# EAGLE board Mk4 Final a Panel score (EAGLE 9.0.1), part 1 of 24 (continued)
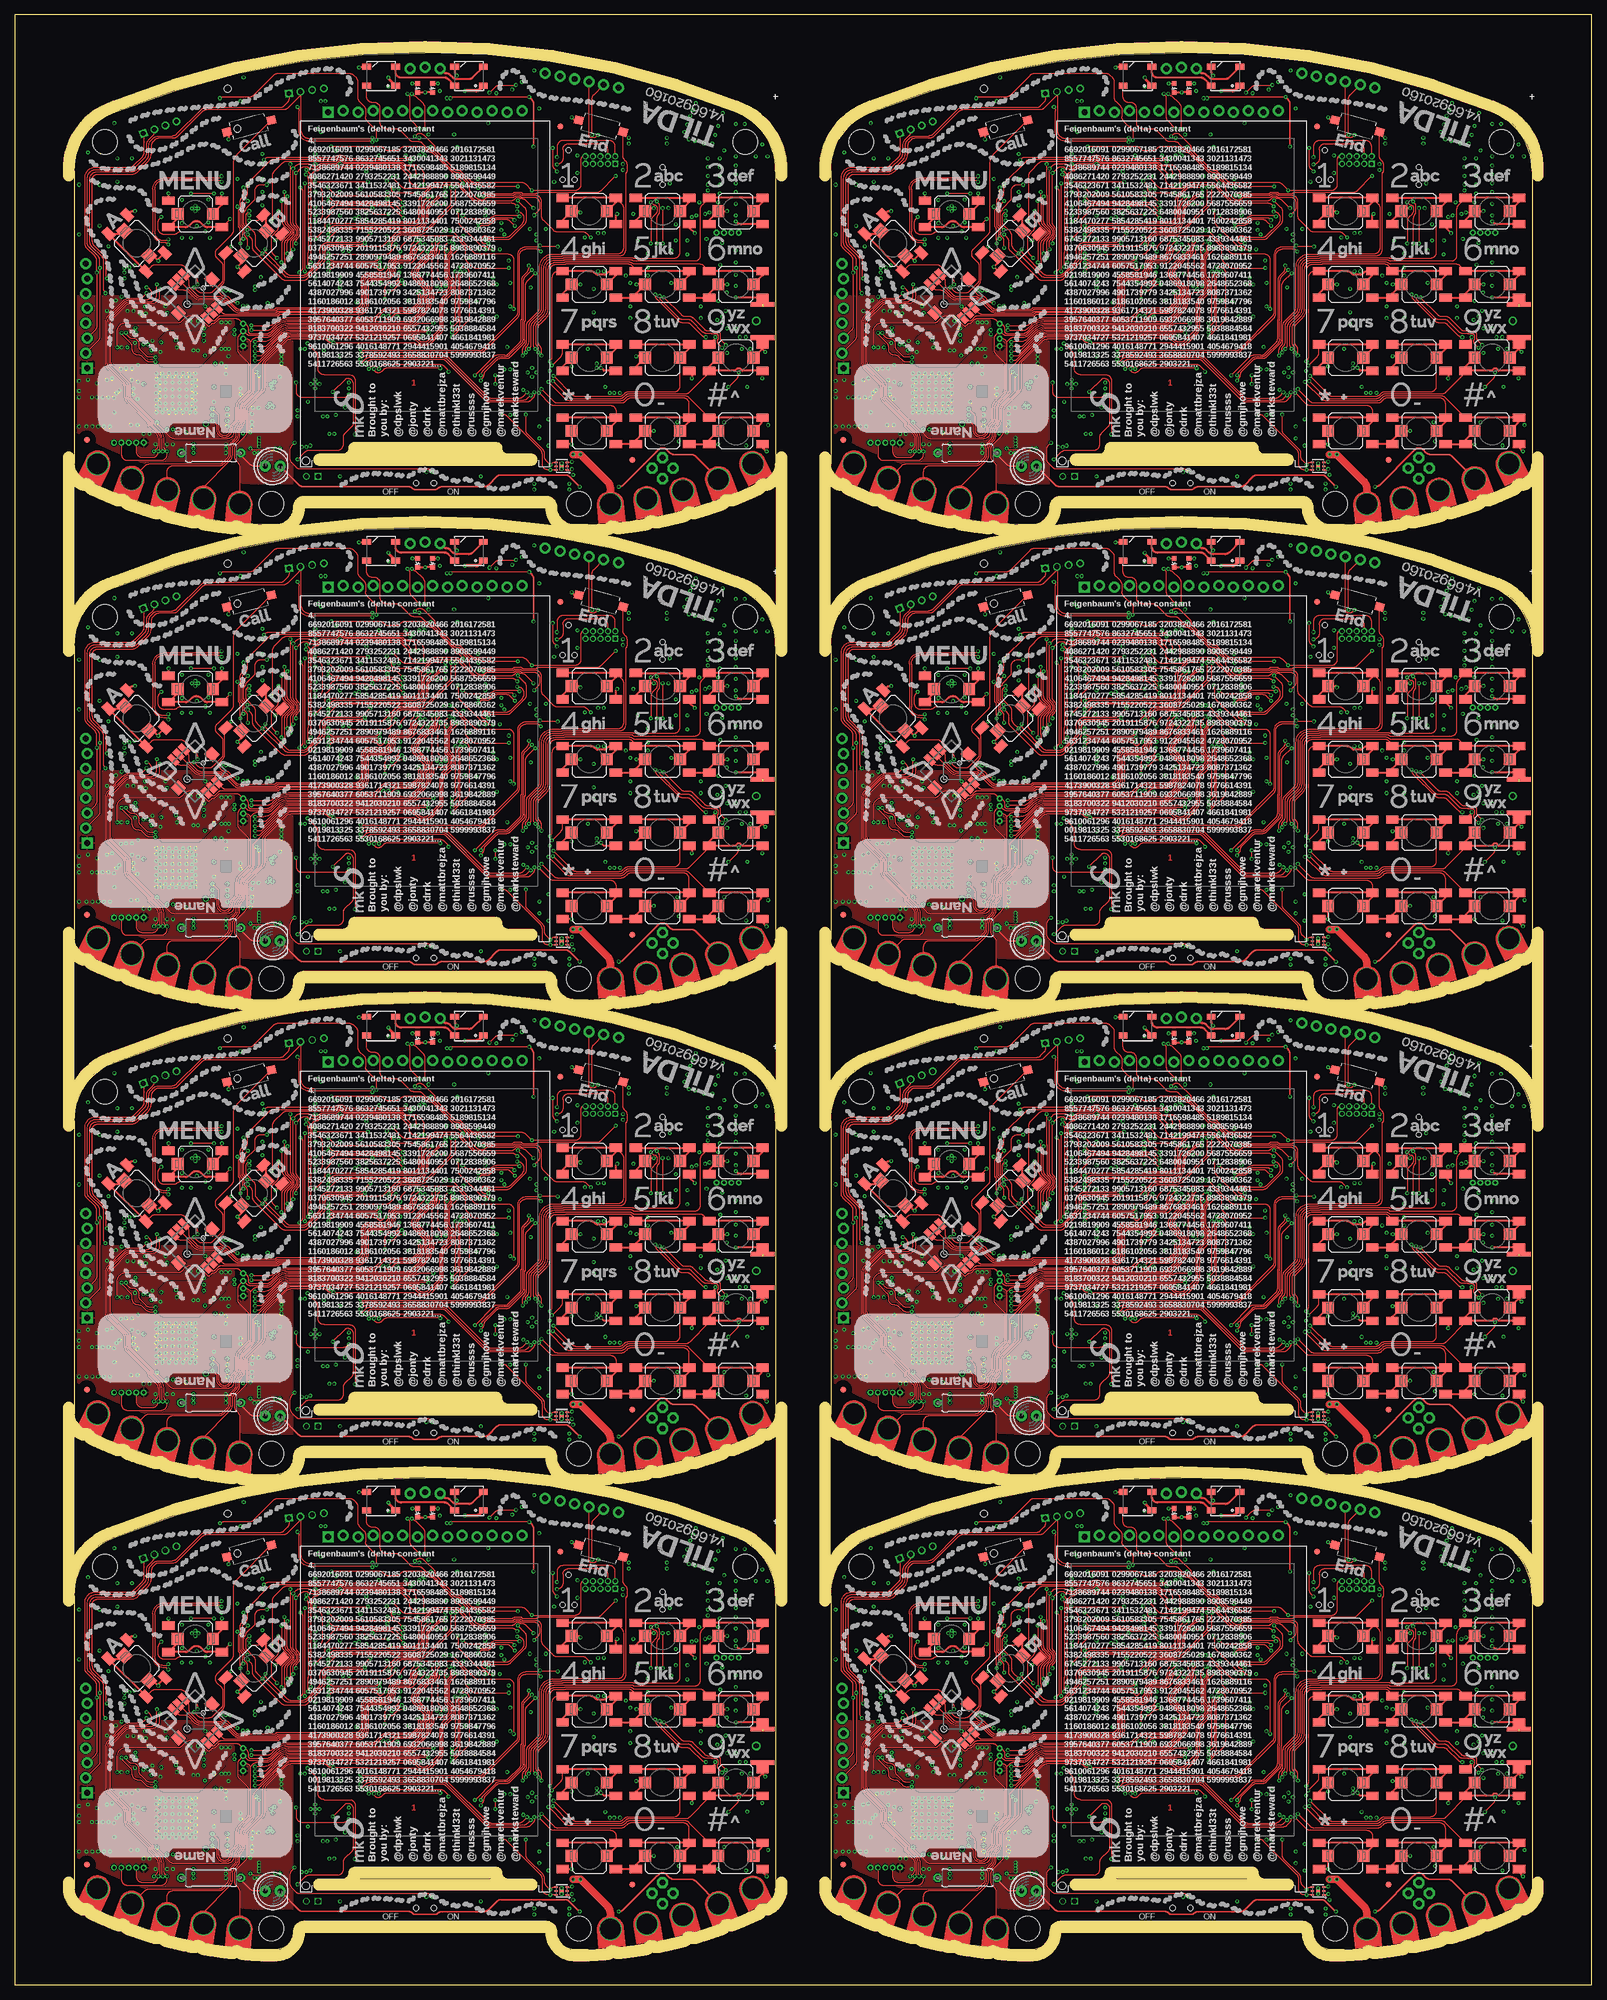
[diagram p0: board, top side]

Size 269 x 336 mm. Coordinates in mm from the lower left corner, seen from the top.
Outline: 0,0 269,0 269,336 0,336 0,0
Copper layers (1+2*15+16): Top 0.035mm / dielectric 0.22mm / 3V3@2 0.017mm / dielectric 1mm / GND@3 0.017mm / dielectric 0.22mm / Bottom 0.035mm
Design rules "little015mm  Round 4layer Newbury *": minimum track width 0.15mm, minimum drill 0.3mm, track to track 0.15mm, track to pad 0.15mm, pad to pad 0.15mm, via to via 0.15mm, smd to smd 0.15mm, copper to edge 0.4mm, drill to drill 0.3mm, minimum pad ring 0.15mm, minimum via ring 0.15mm, stop-mask expansion 0mil, vias tented up to drill 0.6mm, thermal gap 14mil
Net classes: 1 50R Single: width 0.4 mm, clearance 0.4 mm to class 0, clearance 0.4 mm; 2 90R Diff: width 0.25 mm, clearance 0.25 mm to class 0, clearance 0.4 mm to class 1, clearance 0.15 mm; 3 100R Diff: width 0.22 mm, clearance 0.25 mm to class 0, clearance 0.4 mm to class 1, clearance 0.25 mm to class 2, clearance 0.15 mm; 4 Audio: width 0.2 mm, clearance 0.25 mm to class 0, clearance 0.4 mm to class 1, clearance 0.25 mm to class 2, clearance 0.25 mm to class 3, clearance 0.15 mm
bRestrict: area 21.1,35.4 to 21.7,36.1; area 150.1,35.4 to 150.7,36.1; area 21.1,116.4 to 21.7,117.1; area 150.1,116.4 to 150.7,117.1; area 21.1,197.4 to 21.7,198.1; area 150.1,197.4 to 150.7,198.1; area 21.1,278.4 to 21.7,279.1; area 150.1,278.4 to 150.7,279.1
Milling: 12 lines

## Footprints (pad centres in the part's own frame; a part is rotated, then mirrored left to right if it is on the bottom)
2450AT18D0100 = smd 1 x 0.6: 1 -1.5,-0.65; 2 1.5,-0.65; 3 1.5,0.65; 4 -1.5,0.65
C0603K-SMALL = smd 0.889 x 0.889: 1 -0.875,0; 2 0.875,0
C0402-SMALLER = smd 0.6 x 0.6: 1 -0.5,0; 2 0.5,0
CT3528 = smd 2 x 2.2: + -1.5,0; - 1.5,0
C0805-N = smd 1.15 x 1.45: 1 -0.9,0; 2 0.9,0
C1210K = smd 1.5 x 2.9: 1 -1.5,0; 2 1.5,0
SOD123 = smd 1.4 x 1.4: A 1.9,0; C -1.9,0
R0402-SMALLER = smd 0.6 x 0.6: 1 -0.5,0; 2 0.5,0
FIDUCIAL-1X2.5-STOP = smd 1 x 1: 1 0,0
DEA202450BT = smd 0.45 x 1: GND@2 0.65,0; GND@4 -0.65,0 | smd 0.35 x 0.35: IN 0,-0.325; OUT 0,0.325
QFP128-0.4 = smd 0.2 x 1.4: 1 -6.2,-7.7; 2 -5.8,-7.7; 3 -5.4,-7.7; 4 -5,-7.7; 5 -4.6,-7.7; 6 -4.2,-7.7; 7 -3.8,-7.7; 8 -3.4,-7.7; 9 -3,-7.7; 10 -2.6,-7.7; 11 -2.2,-7.7; 12 -1.8,-7.7; 13 -1.4,-7.7; 14 -1,-7.7; 15 -0.6,-7.7; 16 -0.2,-7.7; 17 0.2,-7.7; 18 0.6,-7.7; 19 1,-7.7; 20 1.4,-7.7; 21 1.8,-7.7; 22 2.2,-7.7; 23 2.6,-7.7; 24 3,-7.7; 25 3.4,-7.7; 26 3.8,-7.7; 27 4.2,-7.7; 28 4.6,-7.7; 29 5,-7.7; 30 5.4,-7.7; 31 5.8,-7.7; 32 6.2,-7.7; 65 6.2,7.7; 66 5.8,7.7; 67 5.4,7.7; 68 5,7.7; 69 4.6,7.7; 70 4.2,7.7; 71 3.8,7.7; 72 3.4,7.7; 73 3,7.7; 74 2.6,7.7; 75 2.2,7.7; 76 1.8,7.7; 77 1.4,7.7; 78 1,7.7; 79 0.6,7.7; 80 0.2,7.7; 81 -0.2,7.7; 82 -0.6,7.7; 83 -1,7.7; 84 -1.4,7.7; 85 -1.8,7.7; 86 -2.2,7.7; 87 -2.6,7.7; 88 -3,7.7; 89 -3.4,7.7; 90 -3.8,7.7; 91 -4.2,7.7; 92 -4.6,7.7; 93 -5,7.7; 94 -5.4,7.7; 95 -5.8,7.7; 96 -6.2,7.7 | smd 1.4 x 0.2: 33 7.7,-6.2; 34 7.7,-5.8; 35 7.7,-5.4; 36 7.7,-5; 37 7.7,-4.6; 38 7.7,-4.2; 39 7.7,-3.8; 40 7.7,-3.4; 41 7.7,-3; 42 7.7,-2.6; 43 7.7,-2.2; 44 7.7,-1.8; 45 7.7,-1.4; 46 7.7,-1; 47 7.7,-0.6; 48 7.7,-0.2; 49 7.7,0.2; 50 7.7,0.6; 51 7.7,1; 52 7.7,1.4; 53 7.7,1.8; 54 7.7,2.2; 55 7.7,2.6; 56 7.7,3; 57 7.7,3.4; 58 7.7,3.8; 59 7.7,4.2; 60 7.7,4.6; 61 7.7,5; 62 7.7,5.4; 63 7.7,5.8; 64 7.7,6.2; 97 -7.7,6.2; 98 -7.7,5.8; 99 -7.7,5.4; 100 -7.7,5; 101 -7.7,4.6; 102 -7.7,4.2; 103 -7.7,3.8; 104 -7.7,3.4; 105 -7.7,3; 106 -7.7,2.6; 107 -7.7,2.2; 108 -7.7,1.8; 109 -7.7,1.4; 110 -7.7,1; 111 -7.7,0.6; 112 -7.7,0.2; 113 -7.7,-0.2; 114 -7.7,-0.6; 115 -7.7,-1; 116 -7.7,-1.4; 117 -7.7,-1.8; 118 -7.7,-2.2; 119 -7.7,-2.6; 120 -7.7,-3; 121 -7.7,-3.4; 122 -7.7,-3.8; 123 -7.7,-4.2; 124 -7.7,-4.6; 125 -7.7,-5; 126 -7.7,-5.4; 127 -7.7,-5.8; 128 -7.7,-6.2
TSOP54-400 = smd 0.4 x 0.9: 1 -10.4,-5.68; 2 -9.6,-5.68; 3 -8.8,-5.68; 4 -8,-5.68; 5 -7.2,-5.68; 6 -6.4,-5.68; 7 -5.6,-5.68; 8 -4.8,-5.68; 9 -4,-5.68; 10 -3.2,-5.68; 11 -2.4,-5.68; 12 -1.6,-5.68; 13 -0.8,-5.68; 14 0,-5.68; 15 0.8,-5.68; 16 1.6,-5.68; 17 2.4,-5.68; 18 3.2,-5.68; 19 4,-5.68; 20 4.8,-5.68; 21 5.6,-5.68; 22 6.4,-5.68; 23 7.2,-5.68; 24 8,-5.68; 25 8.8,-5.68; 26 9.6,-5.68; 27 10.4,-5.68; 28 10.4,5.68; 29 9.6,5.68; 30 8.8,5.68; 31 8,5.68; 32 7.2,5.68; 33 6.4,5.68; 34 5.6,5.68; 35 4.8,5.68; 36 4,5.68; 37 3.2,5.68; 38 2.4,5.68; 39 1.6,5.68; 40 0.8,5.68; 41 0,5.68; 42 -0.8,5.68; 43 -1.6,5.68; 44 -2.4,5.68; 45 -3.2,5.68; 46 -4,5.68; 47 -4.8,5.68; 48 -5.6,5.68; 49 -6.4,5.68; 50 -7.2,5.68; 51 -8,5.68; 52 -8.8,5.68; 53 -9.6,5.68; 54 -10.4,5.68
SHT2X = smd 0.3 x 0.5: 1 1,1.375; 2 0,1.375; 3 -1,1.375; 4 -1,-1.375; 5 0,-1.375; 6 1,-1.375 | smd 1.7 x 1.1: GND@DIE 0,0
QFN-24 = smd 0.85 x 0.25: 1 -2.05,1.25; 2 -2.05,0.75; 3 -2.05,0.25; 4 -2.05,-0.25; 5 -2.05,-0.75; 6 -2.05,-1.25; 13 2.05,-1.25; 14 2.05,-0.75; 15 2.05,-0.25; 16 2.05,0.25; 17 2.05,0.75; 18 2.05,1.25 | smd 0.25 x 0.9: 7 -1.25,-2.025; 8 -0.75,-2.025; 9 -0.25,-2.025; 10 0.25,-2.025; 11 0.75,-2.025; 12 1.25,-2.025; 19 1.25,2.025; 20 0.75,2.025; 21 0.25,2.025; 22 -0.25,2.025; 23 -0.75,2.025; 24 -1.25,2.025 | smd 2.7 x 2.6: 25 0,0
SIM800C = smd 1.6 x 0.6: 1 -7.85,6.05; 2 -7.85,4.95; 3 -7.85,3.85; 4 -7.85,2.75; 5 -7.85,1.65; 6 -7.85,0.55; 7 -7.85,-0.55; 8 -7.85,-1.65; 9 -7.85,-2.75; 10 -7.85,-3.85; 11 -7.85,-4.95; 12 -7.85,-6.05; 22 7.85,-6.05; 23 7.85,-4.95; 24 7.85,-3.85; 25 7.85,-2.75; 26 7.85,-1.65; 27 7.85,-0.55; 28 7.85,0.55; 29 7.85,1.65; 30 7.85,2.75; 31 7.85,3.85; 32 7.85,4.95; 33 7.85,6.05 | smd 0.6 x 1.6: 13 -4.4,-8.8; 14 -3.3,-8.8; 15 -2.2,-8.8; 16 -1.1,-8.8; 17 0,-8.8; 18 1.1,-8.8; 19 2.2,-8.8; 20 3.3,-8.8; 21 4.4,-8.8; 34 4.4,8.8; 35 3.3,8.8; 36 2.2,8.8; 37 1.1,8.8; 38 0,8.8; 39 -1.1,8.8; 40 -2.2,8.8; 41 -3.3,8.8; 42 -4.4,8.8
SO08-EIAJ = smd 0.61 x 2.21: 1 -1.905,-3.378; 2 -0.635,-3.378; 3 0.635,-3.378; 4 1.905,-3.378; 5 1.905,3.353; 6 0.635,3.353; 7 -0.635,3.353; 8 -1.905,3.353
DRL-5 = smd 0.3 x 0.45: 1 -0.5,-0.675; 2 0,-0.675; 3 0.5,-0.675; 4 0.5,0.675; 5 -0.5,0.675
VSON-HR = smd 0.55 x 0.25: 1 -0.675,0.75; 2 -0.675,0.25; 3 -0.675,-0.25; 4 -0.675,-0.75; 5 0.675,-0.75; 6 0.675,-0.25; 7 0.675,0.25; 8 0.675,0.75
VSSOP8 = smd 0.4 x 1: 1 -0.975,-2.4; 2 -0.325,-2.4; 3 0.325,-2.4; 4 0.975,-2.4; 5 0.975,2.4; 6 0.325,2.4; 7 -0.325,2.4; 8 -0.975,2.4
SO14 = smd 0.66 x 2.032: 1 -3.81,-3.073; 2 -2.54,-3.073; 3 -1.27,-3.073; 4 0,-3.073; 5 1.27,-3.073; 6 2.54,-3.073; 7 3.81,-3.073; 8 3.81,3.073; 9 2.54,3.073; 10 1.27,3.073; 11 0,3.073; 12 -1.27,3.073; 13 -2.54,3.073; 14 -3.81,3.073
VSON-8 = smd 0.85 x 0.28: 1 -1.475,0.975; 2 -1.475,0.325; 3 -1.475,-0.325; 4 -1.475,-0.975; 5 1.475,-0.975; 6 1.475,-0.325; 7 1.475,0.325; 8 1.475,0.975 | smd 1.15 x 1.5: PAD 0,0
VQFN-64 = smd 0.25 x 0.7: 1 -3.75,-4.45; 2 -3.25,-4.45; 3 -2.75,-4.45; 4 -2.25,-4.45; 5 -1.75,-4.45; 6 -1.25,-4.45; 7 -0.75,-4.45; 8 -0.25,-4.45; 9 0.25,-4.45; 10 0.75,-4.45; 11 1.25,-4.45; 12 1.75,-4.45; 13 2.25,-4.45; 14 2.75,-4.45; 15 3.25,-4.45; 16 3.75,-4.45; 33 3.75,4.45; 34 3.25,4.45; 35 2.75,4.45; 36 2.25,4.45; 37 1.75,4.45; 38 1.25,4.45; 39 0.75,4.45; 40 0.25,4.45; 41 -0.25,4.45; 42 -0.75,4.45; 43 -1.25,4.45; 44 -1.75,4.45; 45 -2.25,4.45; 46 -2.75,4.45; 47 -3.25,4.45; 48 -3.75,4.45 | smd 0.7 x 0.25: 17 4.45,-3.75; 18 4.45,-3.25; 19 4.45,-2.75; 20 4.45,-2.25; 21 4.45,-1.75; 22 4.45,-1.25; 23 4.45,-0.75; 24 4.45,-0.25; 25 4.45,0.25; 26 4.45,0.75; 27 4.45,1.25; 28 4.45,1.75; 29 4.45,2.25; 30 4.45,2.75; 31 4.45,3.25; 32 4.45,3.75; 49 -4.45,3.75; 50 -4.45,3.25; 51 -4.45,2.75; 52 -4.45,2.25; 53 -4.45,1.75; 54 -4.45,1.25; 55 -4.45,0.75; 56 -4.45,0.25; 57 -4.45,-0.25; 58 -4.45,-0.75; 59 -4.45,-1.25; 60 -4.45,-1.75; 61 -4.45,-2.25; 62 -4.45,-2.75; 63 -4.45,-3.25; 64 -4.45,-3.75 | smd 7.3 x 7.3: PAD 0,0
SOT563 = smd 0.25 x 0.4: 1 -0.5,-0.66; 2 0,-0.66; 3 0.5,-0.66; 4 0.5,0.66; 5 0,0.66; 6 -0.5,0.67
USON-6 = smd 0.5 x 0.25: 1 -0.95,0.65; 2 -0.95,0; 3 -0.95,-0.65; 4 0.95,-0.65; 5 0.95,0; 6 0.95,0.65 | smd 0.65 x 1.35: PAD 0,0
SOT23-3 = smd 0.8 x 0.9: 1 -0.95,-1; 2 0.95,-1; 3 0,1.1
MSIM-MOLEX-LWK = smd 0.65 x 0.55: C1 0.61,3.81; C2 0.61,1.27; C3 0.61,-1.27; C4 0.61,-3.81; C5 -6.65,3.81; C6 -6.65,1.27; C7 -6.65,-1.27; C8 -6.65,-3.81 | smd 1.2 x 0.89: GND1 0,6.125; GND2 0,-6.125 | smd 1.6 x 0.94 rotated 315: GND3 -12.67,-4.19 | smd 1.2 x 0.52: GND4 -6.39,6.31; GND5 -6.39,-6.31 | smd 0.94 x 2.1: GND6 -13.35,4.88
FH12-50S-0.5SH = smd 0.3 x 1.3: 1 -12.25,3.25; 2 -11.75,3.25; 3 -11.25,3.25; 4 -10.75,3.25; 5 -10.25,3.25; 6 -9.75,3.25; 7 -9.25,3.25; 8 -8.75,3.25; 9 -8.25,3.25; 10 -7.75,3.25; 11 -7.25,3.25; 12 -6.75,3.25; 13 -6.25,3.25; 14 -5.75,3.25; 15 -5.25,3.25; 16 -4.75,3.25; 17 -4.25,3.25; 18 -3.75,3.25; 19 -3.25,3.25; 20 -2.75,3.25; 21 -2.25,3.25; 22 -1.75,3.25; 23 -1.25,3.25; 24 -0.75,3.25; 25 -0.25,3.25; 26 0.25,3.25; 27 0.75,3.25; 28 1.25,3.25; 29 1.75,3.25; 30 2.25,3.25; 31 2.75,3.25; 32 3.25,3.25; 33 3.75,3.25; 34 4.25,3.25; 35 4.75,3.25; 36 5.25,3.25; 37 5.75,3.25; 38 6.25,3.25; 39 6.75,3.25; 40 7.25,3.25; 41 7.75,3.25; 42 8.25,3.25; 43 8.75,3.25; 44 9.25,3.25; 45 9.75,3.25; 46 10.25,3.25; 47 10.75,3.25; 48 11.25,3.25; 49 11.75,3.25; 50 12.25,3.25 | smd 1.5 x 3: 51 -14.75,1; 52 14.75,1
PINHEAD_2X05_127 = drill 0.6 pad 1.016 square: 1 -2.54,-0.635 | drill 0.6 pad 1.016: 2 -2.54,0.635; 3 -1.27,-0.635; 4 -1.27,0.635; 5 0,-0.635; 6 0,0.635; 7 1.27,-0.635; 8 1.27,0.635; 9 2.54,-0.635; 10 2.54,0.635
GSM-ANTENNA = drill 0.9 pad 1.422: ANT 0,0
JST-2-SMD = smd 1 x 4.6: 1 -1,-3.7; 2 1,-3.7 | smd 1.6 x 3.4: NC1 -3.4,1.5; NC2 3.4,1.5
J502-ND-142-0711-821/826-LWK1 = smd 3 x 1.422: 1 2.815,0 | smd 4.1 x 1.6: G@1 2.265,2.45; G@2 2.265,-2.45 | smd 4.1 x 0.8 bottom: G@3 2.265,2.85; G@4 2.265,-2.85
HW4-2.0-SWD-COMBINED = drill 0.8 pad 1.27 square: 1 -3,0 | drill 0.8 pad 1.27: 2 -1,0; 3 1,0; 4 3,0 | smd 1 x 2.5: 5 -3,-3.073; 6 -1,-3.073; 7 1,-3.073; 8 3,-3.073 | smd 2 x 2.5: SS1 -5.8,0.05; SS2 5.8,0.05
PJ-393-A = smd 1.4 x 2.5: 1 2.8,-3.45; 2 8.8,3.45; 3 8.65,-3.45; 4 5.8,-3.45; 5 10.9,-3.45; 6 6.55,3.45; 7 3.7,3.45; 8 1.9,3.45 | hole 1.2: 2.3,0; 9.3,0
2X2 = drill 1.016 pad 1.88 octagon: 1 -1.27,-1.27; 2 -1.27,1.27; 3 1.27,-1.27; 4 1.27,1.27
1X05-1.27MM = drill 0.508 pad 1: 1 0,0; 2 1.27,0; 3 2.54,0; 4 3.81,0; 5 5.08,0
1X03_LOCK = drill 1.016 pad 1.88: 1 0,0.127; 2 2.54,-0.127; 3 5.08,0.127
1X02_2MM = drill 0.8 square: 1 0,0 | drill 0.8: 2 2,0
TC2030-MCP-NL = smd 0.787 x 0.787: 1 1.27,-0.635; 2 1.27,0.635; 3 2.54,-0.635; 4 2.54,0.635; 5 3.81,-0.635; 6 3.81,0.635 | hole 0.889: 0,0; 5.08,-1.016; 5.08,1.016
1X04-1.27MM = drill 0.508 pad 1: 1 0,0; 2 1.27,0; 3 2.54,0; 4 3.81,0
1X08_LOCK = drill 1.016 pad 1.88 square: 1 0,0.127 | drill 1.016 pad 1.88: 2 2.54,-0.127; 3 5.08,0.127; 4 7.62,-0.127; 5 10.16,0.127; 6 12.7,-0.127; 7 15.24,0.127; 8 17.78,-0.127
1X14_LOCK = drill 1.016 pad 1.88 square: 1 0,0.127 | drill 1.016 pad 1.88: 2 2.54,-0.127; 3 5.08,0.127; 4 7.62,-0.127; 5 10.16,0.127; 6 12.7,-0.127; 7 15.24,0.127; 8 17.78,-0.127; 9 20.32,0.127; 10 22.86,-0.127; 11 25.4,0.127; 12 27.94,-0.127; 13 30.48,0.127; 14 33.02,-0.127
1X06 = drill 1.016 pad 1.88: 1 0,0; 2 2.54,0; 3 5.08,0; 4 7.62,0; 5 10.16,0; 6 12.7,0
1008 = smd 0.9 x 2.4: 1 -1.1,0; 2 1.1,0
WUERTH-0805 = smd 1.2 x 1: 1 -1.1,0; 2 1.1,0
L0402 = smd 0.6 x 0.7: 1 -0.6,0; 2 0.6,0
0806 = smd 0.8 x 1.8: 1 -0.8,0; 2 0.8,0
ER-TFT024-3 = hole 1.3: -20.35,-22.6
WS2812B = smd 1.5 x 1: 1 -2.45,1.6; 2 -2.45,-1.6; 3 2.45,-1.6; 4 2.45,1.6
LED-0603-CORRECT = smd 0.8 x 0.8: A 0.75,0; C -0.75,0
LED5MM = drill 0.813 pad 1.88: A -1.27,0; K 1.27,0
TILDA_MK4_OUTLINE_TALL_V1 = drill 3.5: 3V3 55.856,10.386; CH1 -31.617,3.538; CH2 -37.798,4.386; CH3 -43.962,5.833; CH4 -50.042,7.771; FET 50.042,7.771; GND -55.856,10.386; SCL 37.798,4.386; SDA 43.962,5.833; VBATT 31.617,3.538 | hole 4.2: 26.2,3.6; -26.2,3.6; 54.6,65.3; -54.6,65.3
SC70-3-R = smd 0.6 x 0.55: 1 -0.65,-0.925; 2 0.65,-0.925; 3 0,0.925
Q3A = smd 0.3 x 0.6: 1 -0.975,-1.55; 2 -0.325,-1.55; 3 0.325,-1.55; 4 0.975,-1.55; 5 0.975,1.55; 6 0.325,1.55; 7 -0.325,1.55; 8 -0.975,1.55 | smd 2.45 x 1.775: EP 0,0.375
Q2 = smd 0.4 x 0.455: 1 -0.65,-0.922; 2 0,-0.922; 3 0.65,-0.922; 4 0.65,0.922; 5 0,0.922; 6 -0.65,0.922 | smd 1.05 x 1.1: EP1 -0.325,0 | smd 0.4 x 0.85: EP2 0.65,0.1
0309/10 = drill 0.813 pad 1.422 octagon: 1 -5.08,0; 2 5.08,0
SKPMAPE010-COMBINED = smd 2 x 2: 1 -3,0; 2 3,0 | smd 2.1 x 1.4: A1 -4.55,-2.25; A2 4.55,-2.25; B1 -4.55,2.25; B2 4.55,2.25
TACTILE_SWITCH_SMD_3X6X2.5H = smd 1.5 x 1.4: 1 -3.9,0; 2 3.9,0
SWITCH-SPST-SMD-A = smd 0.7 x 1.5: 1 -2.25,-1.75; 2 -0.75,-1.75; 3 2.25,-1.75 | smd 1 x 0.6: GND1 -3.65,1; GND3 3.65,1 | smd 1 x 0.8: GND2 -3.65,-1.1; GND4 3.65,-1.1 | hole 0.9: -1.5,0; 1.5,0
AYZ-JS-COMBINED = smd 1.2 x 2.2: 1 -2.5,2.975; 2 0,2.975; 3 2.5,2.975; 4 -2.5,-2.975; 5 0,-2.975; 6 2.5,-2.975 | hole 0.85: 1.5,0; -1.5,0
JOYSTICK_MULTICOMP_NOSILK = smd 2 x 1: A -4,1.275; B 4,1.275; C -4,-1.275; COM 4,0; CTR -4,0; D 4,-1.275 | smd 2 x 1.8: NC 0,4.05; NC@0 0,-4.05 | hole 0.75: 0,1.9 | hole 1.05: 0,-1.9
B1,27 = smd 1.27 x 1.27: TP 0,0
P1-06-OCT-CAN = drill 0.6 octagon: TP 0,0
USB-AB-MICRO-SMD_LWK = smd 1.4 x 0.4: D+ 2.85,0; D- 2.85,0.65; GND 2.85,-1.3; ID 2.85,-0.65; VBUS 2.85,1.3 | smd 1.6 x 2.1: SHIELD 2.675,3.1; SHIELD@5 2.675,-3.1 | smd 1.9 x 2: SHIELD@0 0,1.25; SHIELD@1 0,-1.25 | smd 1.9 x 2.2: SHIELD@2 0,-4; SHIELD@3 0,4
MIC-SMD-6MM = smd 1 x 2: + -0.75,0; - 0.75,0
SPEAKER-15MM-SMD = smd 1.6 x 3.5: + -7,-5; - 7,-5; DUMMY@3 7,5; DUMMY@4 -7,5
RESONATOR_EPSON_FC_145 = smd 1.1 x 1.8: P$1 -1.55,0; P$2 1.55,0
CRYSTAL-3.2-2.5 = smd 1.3 x 1.05: 1 -1.15,-0.925; 2 1.15,-0.925; 3 1.15,0.925; 4 -1.15,0.925

## Placement (x,y rotation side)
ANT1  2450AT18D0100  [2450AT18D0100]  11.65,25.25 270 bottom
ANT2  2450AT18D0100  [2450AT18D0100]  118.25,76.5 20 bottom
ANT3  2450AT18D0100  [2450AT18D0100]  140.65,25.25 270 bottom
ANT4  2450AT18D0100  [2450AT18D0100]  247.25,76.5 20 bottom
ANT5  2450AT18D0100  [2450AT18D0100]  11.65,106.25 270 bottom
ANT6  2450AT18D0100  [2450AT18D0100]  118.25,157.5 20 bottom
ANT7  2450AT18D0100  [2450AT18D0100]  140.65,106.25 270 bottom
ANT8  2450AT18D0100  [2450AT18D0100]  247.25,157.5 20 bottom
ANT9  2450AT18D0100  [2450AT18D0100]  11.65,187.25 270 bottom
ANT10  2450AT18D0100  [2450AT18D0100]  118.25,238.5 20 bottom
ANT11  2450AT18D0100  [2450AT18D0100]  140.65,187.25 270 bottom
ANT12  2450AT18D0100  [2450AT18D0100]  247.25,238.5 20 bottom
ANT13  2450AT18D0100  [2450AT18D0100]  11.65,268.25 270 bottom
ANT14  2450AT18D0100  [2450AT18D0100]  118.25,319.5 20 bottom
ANT15  2450AT18D0100  [2450AT18D0100]  140.65,268.25 270 bottom
ANT16  2450AT18D0100  [2450AT18D0100]  247.25,319.5 20 bottom
ARTWORK1  ARTWORK_JOYSTICK  [TILDA_ARTWORK_JOYSTICK]  30.8,45 0 top
ARTWORK2  ARTWORK_KEYPAD-2  [TILDA_ARTWORK_KEYPAD-2]  70,6 0 top
ARTWORK3  ARTWORK_NAME  [TILDA_ARTWORK]  58.15,43.05 0 bottom
ARTWORK4  ARTWORK_MKDELTA  [TILDA_ARTWORK_MKDELTA]  47.5,41 0 bottom
ARTWORK5  ARTWORK_NAME_BLOCK  [TILDA_ARTWORK_NAME]  47.5,34 180 top
ARTWORK6  ARTWORK_MK4-JAKE  [TILDA_ARTWORK_JAKE]  70,6 0 top
ARTWORK7  ARTWORK_QR-2018  [TILDA_ARTWORK_QR-2018]  114.25,72.75 0 bottom
ARTWORK8  ARTWORK_JOYSTICK  [TILDA_ARTWORK_JOYSTICK]  159.8,45 0 top
ARTWORK9  ARTWORK_KEYPAD-2  [TILDA_ARTWORK_KEYPAD-2]  199,6 0 top
ARTWORK10  ARTWORK_NAME  [TILDA_ARTWORK]  187.15,43.05 0 bottom
ARTWORK11  ARTWORK_MKDELTA  [TILDA_ARTWORK_MKDELTA]  176.5,41 0 bottom
ARTWORK12  ARTWORK_NAME_BLOCK  [TILDA_ARTWORK_NAME]  176.5,34 180 top
ARTWORK13  ARTWORK_MK4-JAKE  [TILDA_ARTWORK_JAKE]  199,6 0 top
ARTWORK14  ARTWORK_QR-2018  [TILDA_ARTWORK_QR-2018]  243.25,72.75 0 bottom
ARTWORK15  ARTWORK_JOYSTICK  [TILDA_ARTWORK_JOYSTICK]  30.8,126 0 top
ARTWORK16  ARTWORK_KEYPAD-2  [TILDA_ARTWORK_KEYPAD-2]  70,87 0 top
ARTWORK17  ARTWORK_NAME  [TILDA_ARTWORK]  58.15,124.05 0 bottom
ARTWORK18  ARTWORK_MKDELTA  [TILDA_ARTWORK_MKDELTA]  47.5,122 0 bottom
ARTWORK19  ARTWORK_NAME_BLOCK  [TILDA_ARTWORK_NAME]  47.5,115 180 top
ARTWORK20  ARTWORK_MK4-JAKE  [TILDA_ARTWORK_JAKE]  70,87 0 top
ARTWORK21  ARTWORK_QR-2018  [TILDA_ARTWORK_QR-2018]  114.25,153.75 0 bottom
ARTWORK22  ARTWORK_JOYSTICK  [TILDA_ARTWORK_JOYSTICK]  159.8,126 0 top
ARTWORK23  ARTWORK_KEYPAD-2  [TILDA_ARTWORK_KEYPAD-2]  199,87 0 top
ARTWORK24  ARTWORK_NAME  [TILDA_ARTWORK]  187.15,124.05 0 bottom
ARTWORK25  ARTWORK_MKDELTA  [TILDA_ARTWORK_MKDELTA]  176.5,122 0 bottom
ARTWORK26  ARTWORK_NAME_BLOCK  [TILDA_ARTWORK_NAME]  176.5,115 180 top
ARTWORK27  ARTWORK_MK4-JAKE  [TILDA_ARTWORK_JAKE]  199,87 0 top
ARTWORK28  ARTWORK_QR-2018  [TILDA_ARTWORK_QR-2018]  243.25,153.75 0 bottom
ARTWORK29  ARTWORK_JOYSTICK  [TILDA_ARTWORK_JOYSTICK]  30.8,207 0 top
ARTWORK30  ARTWORK_KEYPAD-2  [TILDA_ARTWORK_KEYPAD-2]  70,168 0 top
ARTWORK31  ARTWORK_NAME  [TILDA_ARTWORK]  58.15,205.05 0 bottom
ARTWORK32  ARTWORK_MKDELTA  [TILDA_ARTWORK_MKDELTA]  47.5,203 0 bottom
ARTWORK33  ARTWORK_NAME_BLOCK  [TILDA_ARTWORK_NAME]  47.5,196 180 top
ARTWORK34  ARTWORK_MK4-JAKE  [TILDA_ARTWORK_JAKE]  70,168 0 top
ARTWORK35  ARTWORK_QR-2018  [TILDA_ARTWORK_QR-2018]  114.25,234.75 0 bottom
ARTWORK36  ARTWORK_JOYSTICK  [TILDA_ARTWORK_JOYSTICK]  159.8,207 0 top
ARTWORK37  ARTWORK_KEYPAD-2  [TILDA_ARTWORK_KEYPAD-2]  199,168 0 top
ARTWORK38  ARTWORK_NAME  [TILDA_ARTWORK]  187.15,205.05 0 bottom
ARTWORK39  ARTWORK_MKDELTA  [TILDA_ARTWORK_MKDELTA]  176.5,203 0 bottom
ARTWORK40  ARTWORK_NAME_BLOCK  [TILDA_ARTWORK_NAME]  176.5,196 180 top
ARTWORK41  ARTWORK_MK4-JAKE  [TILDA_ARTWORK_JAKE]  199,168 0 top
ARTWORK42  ARTWORK_QR-2018  [TILDA_ARTWORK_QR-2018]  243.25,234.75 0 bottom
ARTWORK43  ARTWORK_JOYSTICK  [TILDA_ARTWORK_JOYSTICK]  30.8,288 0 top
ARTWORK44  ARTWORK_KEYPAD-2  [TILDA_ARTWORK_KEYPAD-2]  70,249 0 top
ARTWORK45  ARTWORK_NAME  [TILDA_ARTWORK]  58.15,286.05 0 bottom
ARTWORK46  ARTWORK_MKDELTA  [TILDA_ARTWORK_MKDELTA]  47.5,284 0 bottom
ARTWORK47  ARTWORK_NAME_BLOCK  [TILDA_ARTWORK_NAME]  47.5,277 180 top
ARTWORK48  ARTWORK_MK4-JAKE  [TILDA_ARTWORK_JAKE]  70,249 0 top
ARTWORK49  ARTWORK_QR-2018  [TILDA_ARTWORK_QR-2018]  114.25,315.75 0 bottom
ARTWORK50  ARTWORK_JOYSTICK  [TILDA_ARTWORK_JOYSTICK]  159.8,288 0 top
ARTWORK51  ARTWORK_KEYPAD-2  [TILDA_ARTWORK_KEYPAD-2]  199,249 0 top
ARTWORK52  ARTWORK_NAME  [TILDA_ARTWORK]  187.15,286.05 0 bottom
ARTWORK53  ARTWORK_MKDELTA  [TILDA_ARTWORK_MKDELTA]  176.5,284 0 bottom
ARTWORK54  ARTWORK_NAME_BLOCK  [TILDA_ARTWORK_NAME]  176.5,277 180 top
ARTWORK55  ARTWORK_MK4-JAKE  [TILDA_ARTWORK_JAKE]  199,249 0 top
ARTWORK56  ARTWORK_QR-2018  [TILDA_ARTWORK_QR-2018]  243.25,315.75 0 bottom
BATT  1000mAh JST-PH  [BATTERY-32X50]  69.5,18 90 top
BATT1  1000mAh JST-PH  [BATTERY-32X50]  198.5,18 90 top
BATT2  1000mAh JST-PH  [BATTERY-32X50]  69.5,99 90 top
BATT3  1000mAh JST-PH  [BATTERY-32X50]  198.5,99 90 top
BATT4  1000mAh JST-PH  [BATTERY-32X50]  69.5,180 90 top
BATT5  1000mAh JST-PH  [BATTERY-32X50]  198.5,180 90 top
BATT6  1000mAh JST-PH  [BATTERY-32X50]  69.5,261 90 top
BATT7  1000mAh JST-PH  [BATTERY-32X50]  198.5,261 90 top
C1  0603/1u/6V3/X5R  [C0603K-SMALL]  64.75,81.5 270 bottom
C2  0402/100n/10V/X5R  [C0402-SMALLER]  79.75,52.25 0 bottom
C3  0402/100n/10V/X5R  [C0402-SMALLER]  72.5,78.75 270 bottom
C4  0402/100n/10V/X5R  [C0402-SMALLER]  79.5,74.5 0 bottom
C5  0402/100n/10V/X5R  [C0402-SMALLER]  88.45,76.5 270 bottom
C6  0603/2u2/6V3/X5R  [C0603K-SMALL]  81,57.5 0 bottom
C7  0603/1u/6V3/X5R  [C0603K-SMALL]  81,56.25 0 bottom
C8  0402/100n/10V/X5R  [C0402-SMALLER]  71.75,69 270 bottom
C9  0402/100n/10V/X5R  [C0402-SMALLER]  79.5,59.25 90 bottom
C10  0402/100n/10V/X5R  [C0402-SMALLER]  60.75,58.6 270 bottom
C11  0402/100n/10V/X5R  [C0402-SMALLER]  69.5,68.25 0 bottom
C12  0402/100n/10V/X5R  [C0402-SMALLER]  70,49.5 180 bottom
C13  0402/100n/10V/X5R  [C0402-SMALLER]  72.75,49.5 180 bottom
C14  0603/1u/6V3/X5R  [C0603K-SMALL]  72.75,47.75 180 bottom
C15  0402/100n/10V/X5R  [C0402-SMALLER]  68.5,70.25 0 bottom
C16  0402/12p/50V/C0G  [C0402-SMALLER]  72.25,70.45 180 bottom
C17  0402/12p/50V/C0G  [C0402-SMALLER]  74.25,70.45 0 bottom
C18  0402/12p/50V/C0G  [C0402-SMALLER]  63.4,69 180 bottom
C19  0402/12p/50V/C0G  [C0402-SMALLER]  65.4,69 0 bottom
C20  0603/3n3/50V/X7R  [C0603K-SMALL]  86.5,83.5 90 bottom
C21  0402/100n/10V/X5R  [C0402-SMALLER]  84,31.75 180 bottom
C22  0402/100n/10V/X5R  [C0402-SMALLER]  54.25,67.5 0 bottom
C23  0402/100n/10V/X5R  [C0402-SMALLER]  54.25,62.75 0 bottom
C24  0402/100n/10V/X5R  [C0402-SMALLER]  39.25,60.25 180 bottom
C25  0402/100n/10V/X5R  [C0402-SMALLER]  54.25,58.75 0 bottom
C26  0402/100n/10V/X5R  [C0402-SMALLER]  54.25,69 0 bottom
C27  0402/100n/10V/X5R  [C0402-SMALLER]  39.25,65 180 bottom
C28  0402/100n/10V/X5R  [C0402-SMALLER]  54.25,48.25 0 bottom
C29  1411/100u/10V/Tant  [CT3528]  106.25,31.5 90 bottom
C30  0603/4u7/10V/X5R  [C0603K-SMALL]  111.5,33.75 180 bottom
C31  0402/100n/10V/X5R  [C0402-SMALLER]  113.25,36.75 180 bottom
C32  1411/100u/10V/Tant  [CT3528]  102.5,31.5 90 bottom
C33  0805/10u/10V/X5R  [C0805-N]  42.45,24.75 0 bottom
C34  0805/10u/10V/X5R  [C0805-N]  91,21.75 270 bottom
C35  0805/10u/10V/X5R  [C0805-N]  53.75,26 180 bottom
C36  0805/10u/10V/X5R  [C0805-N]  46.75,32.5 90 bottom
C37  0402/47n/10V/X5R  [C0402-SMALLER]  46.75,29.25 0 bottom
C38  0603/4u7/10V/X5R  [C0603K-SMALL]  61.75,46.25 180 bottom
C39  0603/4u7/10V/X5R  [C0603K-SMALL]  46.2,30.25 180 bottom
C40  0805/10u/10V/X5R  [C0805-N]  50.25,25 0 bottom
C41  0603/1u/6V3/X5R  [C0603K-SMALL]  47.75,34.75 0 bottom
C42  1210/100u/6V3/X5R  [C1210K]  36,43.25 270 bottom
C43  1210/100u/6V3/X5R  [C1210K]  33.25,19 0 bottom
C44  0402/100n/10V/X5R  [C0402-SMALLER]  24.1,36.25 90 bottom
C45  0402/100n/10V/X5R  [C0402-SMALLER]  61.75,45 180 bottom
C46  0603/4u7/10V/X5R  [C0603K-SMALL]  43.45,20.35 90 bottom
C47  0805/10u/10V/X5R  [C0805-N]  42.45,22.75 0 bottom
C48  0402/22p/10V/C0G  [C0402-SMALLER]  111.5,58.5 270 bottom
C49  0402/22p/10V/C0G  [C0402-SMALLER]  108.5,58.5 270 bottom
C50  0402/22p/10V/C0G  [C0402-SMALLER]  106.5,58.5 270 bottom
C51  0402/100n/10V/X5R  [C0402-SMALLER]  125.25,20.25 180 bottom
C52  0402/33p/50V/C0G  [C0402-SMALLER]  108,72 0 bottom
C53  0402/10p/50V/C0G  [C0402-SMALLER]  106,71 0 bottom
C54  0402/33p/50V/C0G  [C0402-SMALLER]  110,72 180 bottom
C55  0402/33p/50V/C0G  [C0402-SMALLER]  106,72 0 bottom
C56  0402/10p/50V/C0G  [C0402-SMALLER]  108,71 0 bottom
C57  0402/10p/50V/C0G  [C0402-SMALLER]  110,71 180 bottom
C58  0402/100n/10V/X5R  [C0402-SMALLER]  31.05,55.45 270 bottom
C59  0402/100n/10V/X5R  [C0402-SMALLER]  27,43.25 180 bottom
C60  0402/100n/10V/X5R  [C0402-SMALLER]  18.25,35 270 bottom
C61  0402/100n/10V/X5R  [C0402-SMALLER]  34.75,32.75 180 bottom
C62  0402/100n/10V/X5R  [C0402-SMALLER]  21.5,29.25 0 bottom
C63  0805/10u/10V/X5R  [C0805-N]  21.85,40.1 90 bottom
C64  0402/33p/50V/C0G  [C0402-SMALLER]  99.5,52.5 90 bottom
C65  0402/10p/50V/C0G  [C0402-SMALLER]  100.5,54.5 90 bottom
C66  0402/33p/50V/C0G  [C0402-SMALLER]  99.5,50.5 270 bottom
C67  0402/33p/50V/C0G  [C0402-SMALLER]  99.5,54.5 90 bottom
C68  0402/10p/50V/C0G  [C0402-SMALLER]  100.5,52.5 90 bottom
C69  0402/10p/50V/C0G  [C0402-SMALLER]  100.5,50.5 270 bottom
C70  0402/100n/10V/X5R  [C0402-SMALLER]  89.25,56.45 180 bottom
C71  0402/100n/10V/X5R  [C0402-SMALLER]  104.75,67 270 bottom
C72  [C0402-SMALLER]  121.45,44.1 270 bottom
C73  [C0402-SMALLER]  122,41.5 180 bottom
C74  [C0402-SMALLER]  120.75,71 20 bottom
C75  [C0402-SMALLER]  121.75,73.75 20 bottom
C76  [C0402-SMALLER]  15.75,29.5 270 bottom
C77  [C0402-SMALLER]  12.5,29.5 270 bottom
C78  0402/1n/10V/X5R  [C0402-SMALLER]  91.5,63.75 0 bottom
C79  0402/2n2/10V/X5R  [C0402-SMALLER]  89.5,63.75 0 bottom
C80  0402/100n/10V/X5R  [C0402-SMALLER]  94,61 0 bottom
C81  0402/100n/10V/X5R  [C0402-SMALLER]  94,60 0 bottom
C82  0402/220n/6V3/X5R  [C0402-SMALLER]  33.95,64.45 180 bottom
C83  0402/220n/6V3/X5R  [C0402-SMALLER]  33.95,65.45 180 bottom
C84  0603/22u/4V/X5R  [C0603K-SMALL]  31.25,38.75 90 bottom
C85  0603/22u/4V/X5R  [C0603K-SMALL]  30,38.75 90 bottom
C86  0603/1u/6V3/X5R  [C0603K-SMALL]  21.5,35.75 0 bottom
C87  0805/10u/10V/X5R  [C0805-N]  36.25,38 270 bottom
C88  0402/4u7/6V3/X5R  [C0402-SMALLER]  25.6,36 90 bottom
C89  0402/4u7/6V3/X5R  [C0402-SMALLER]  31.2,34.5 180 bottom
C90  0402/4u7/6V3/X5R  [C0402-SMALLER]  26.9,36.2 90 bottom
C91  0402/100n/10V/X5R  [C0402-SMALLER]  26,21 270 bottom
C92  0402/100n/10V/X5R  [C0402-SMALLER]  34,28.25 270 bottom
C93  0805/10u/10V/X5R  [C0805-N]  34.5,34.75 180 bottom
C94  0402/100n/10V/X5R  [C0402-SMALLER]  21.5,28.25 0 bottom
C95  0402/100n/10V/X5R  [C0402-SMALLER]  34.75,31.75 180 bottom
C96  0402/100n/10V/X5R  [C0402-SMALLER]  35,24.75 180 bottom
C97  0402/100n/10V/X5R  [C0402-SMALLER]  27,21 270 bottom
C98  0402/12p/50V/C0G  [C0402-SMALLER]  20.95,26.25 270 bottom
C99  0402/12p/50V/C0G  [C0402-SMALLER]  20.95,24.25 90 bottom
C100  0402/12p/50V/C0G  [C0402-SMALLER]  37.75,27.75 270 bottom
C101  0402/12p/50V/C0G  [C0402-SMALLER]  37.75,29.75 90 bottom
C102  0402/100n/10V/X5R  [C0402-SMALLER]  85,25.5 180 bottom